# Altium PCB ssmaster.PcbDoc (part 1 of 3)
Units mil, origin at the board's own origin, x right, y up, seen from the top; angles counter-clockwise.
Board outline 4055.12 x 2952.76 mil, 4 copper layers (Top Layer, Ground Plane 1, Mid-Layer 1, Bottom Layer); 141 components, 274 nets, 1070 pads, 469 vias.
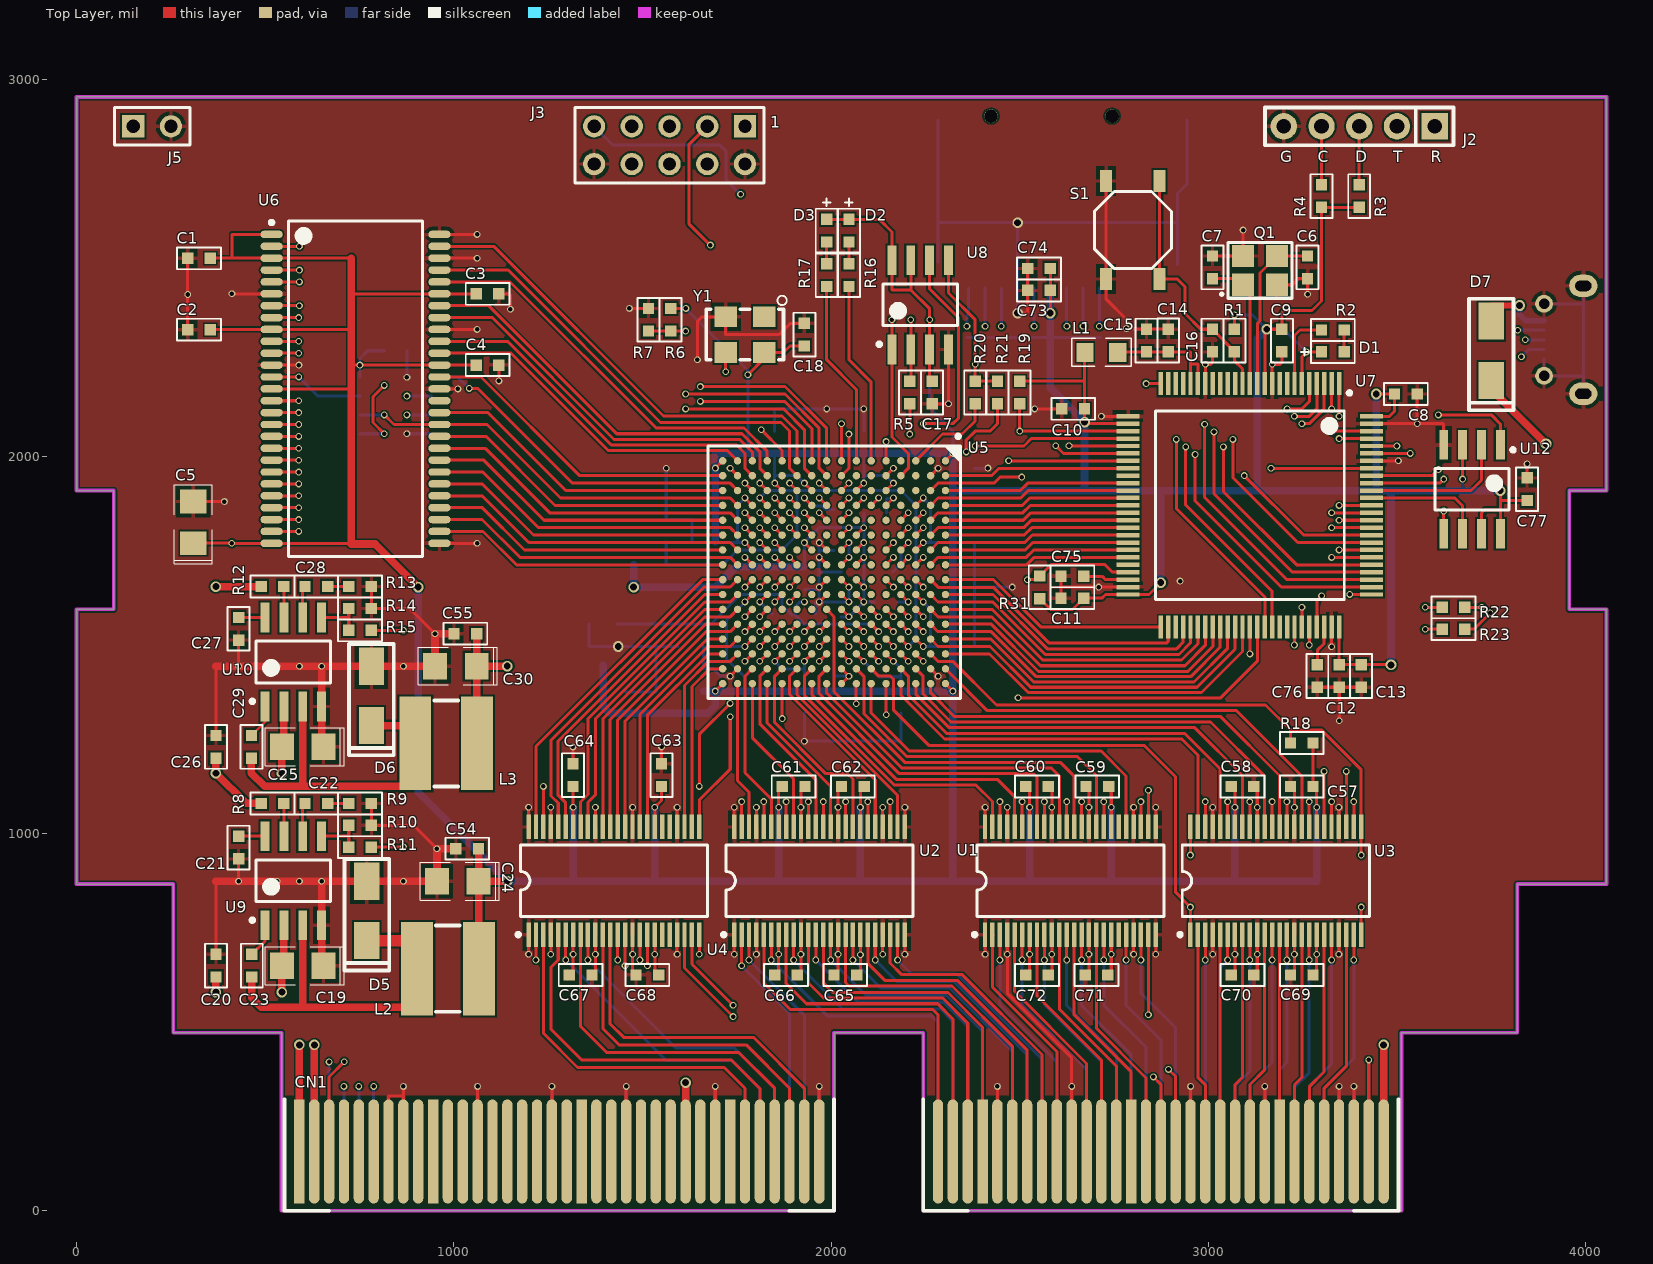
[diagram p0: Top Layer view]
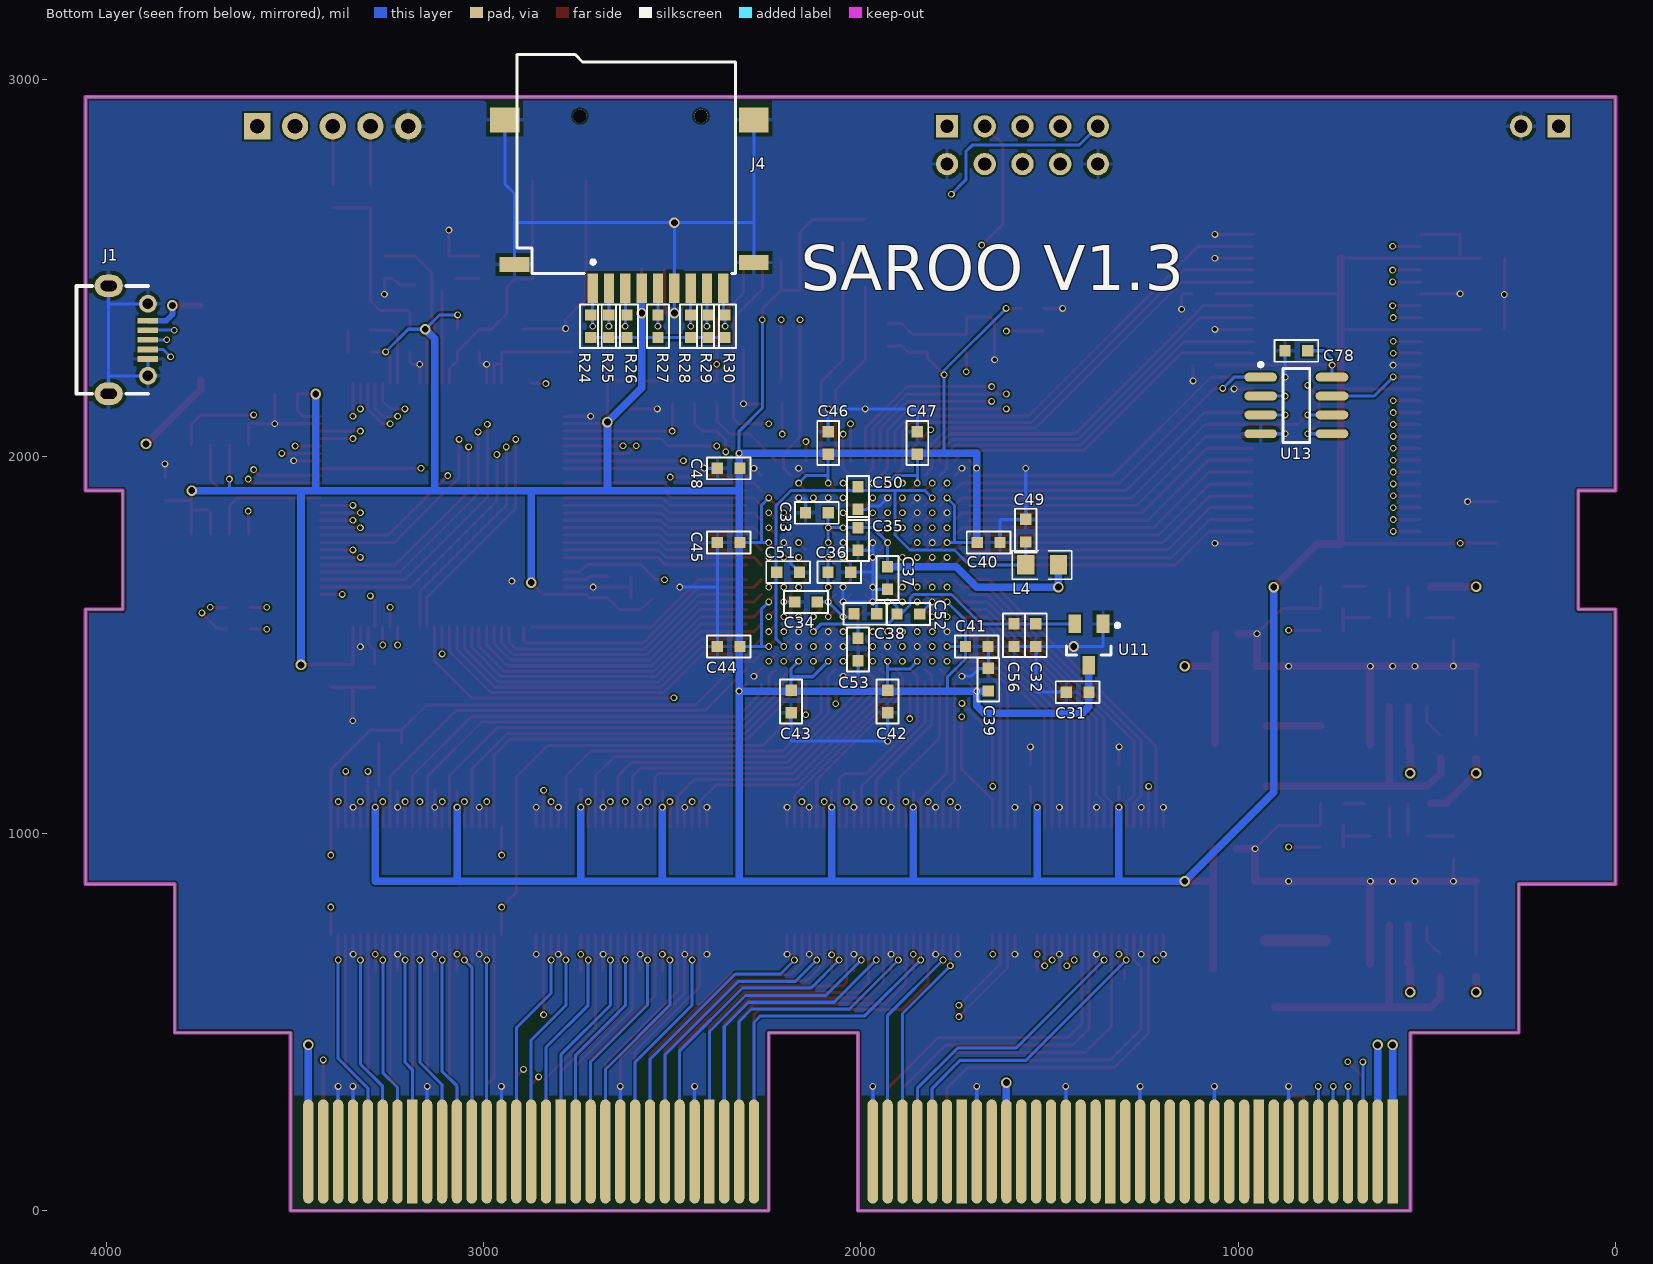
[diagram p1: Bottom Layer view, seen from below]
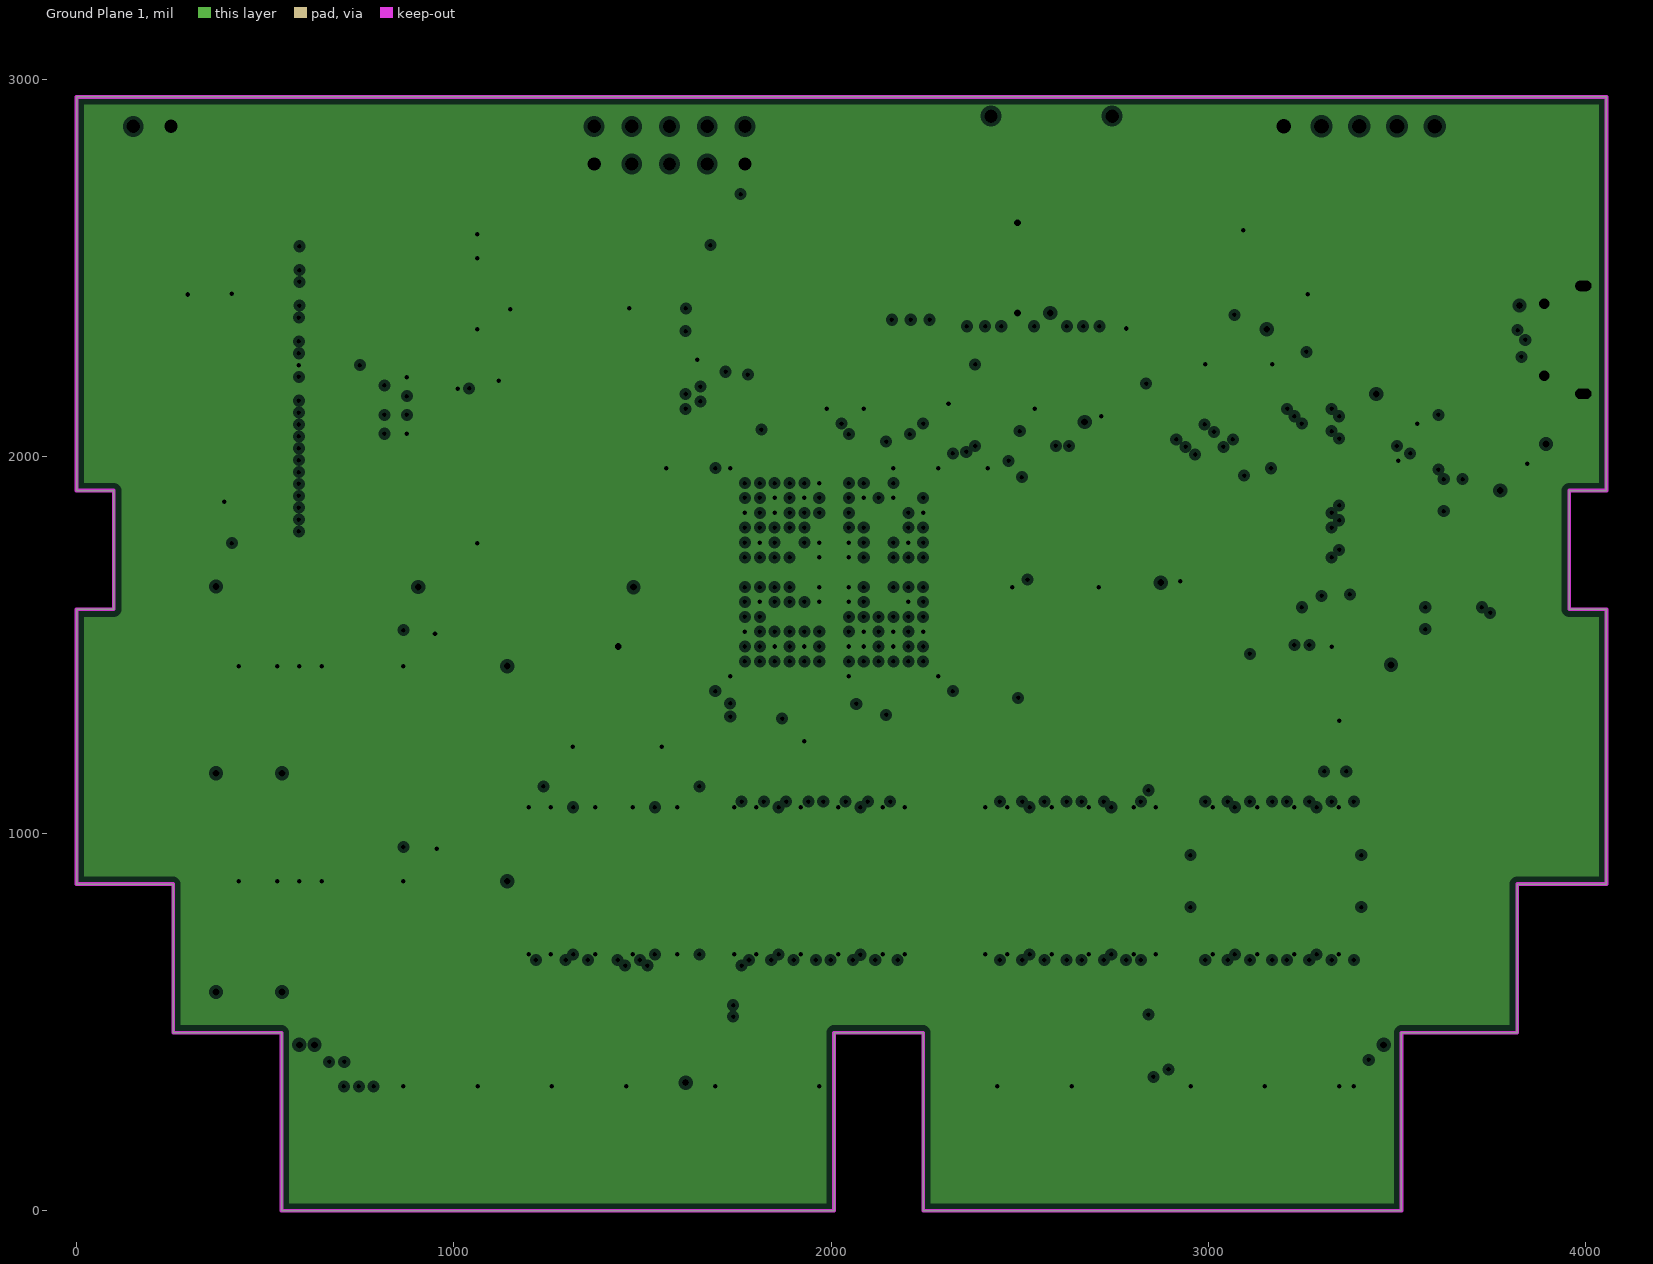
[diagram p2: Ground Plane 1, clearances drawn from the general rule]
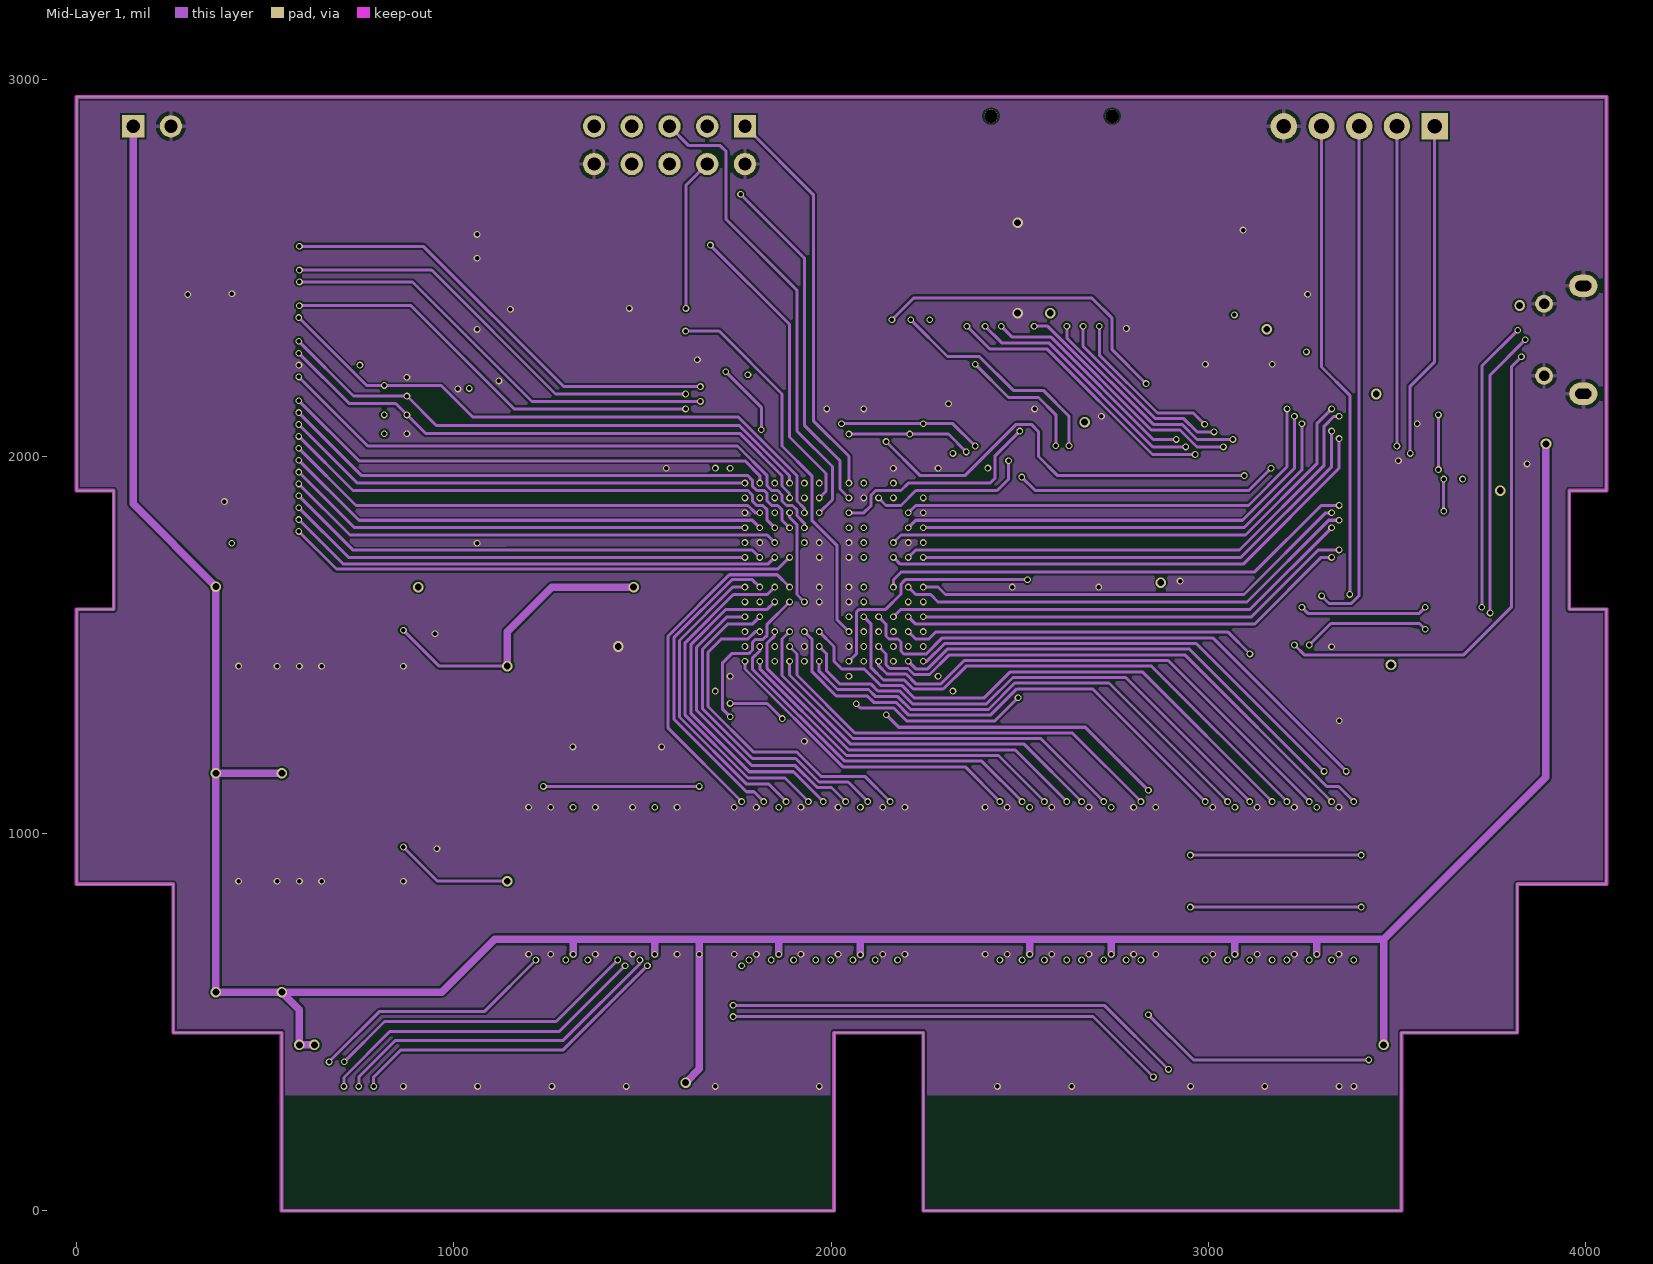
[diagram p3: Mid-Layer 1]
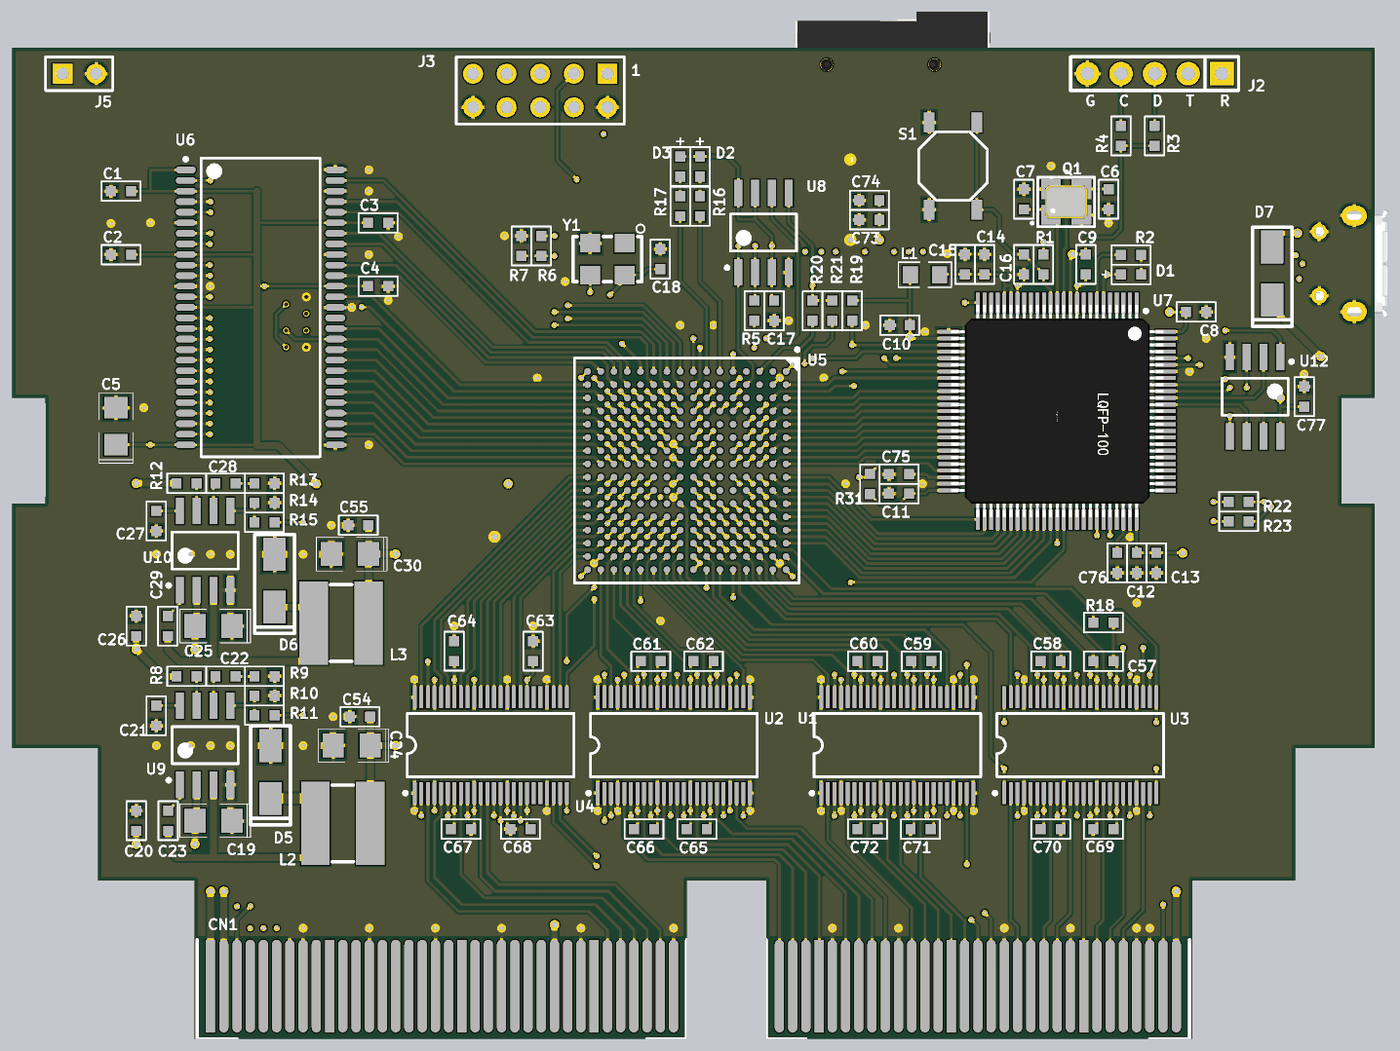
[diagram p6: 3D render of the assembled board from above, using the file's embedded part models]
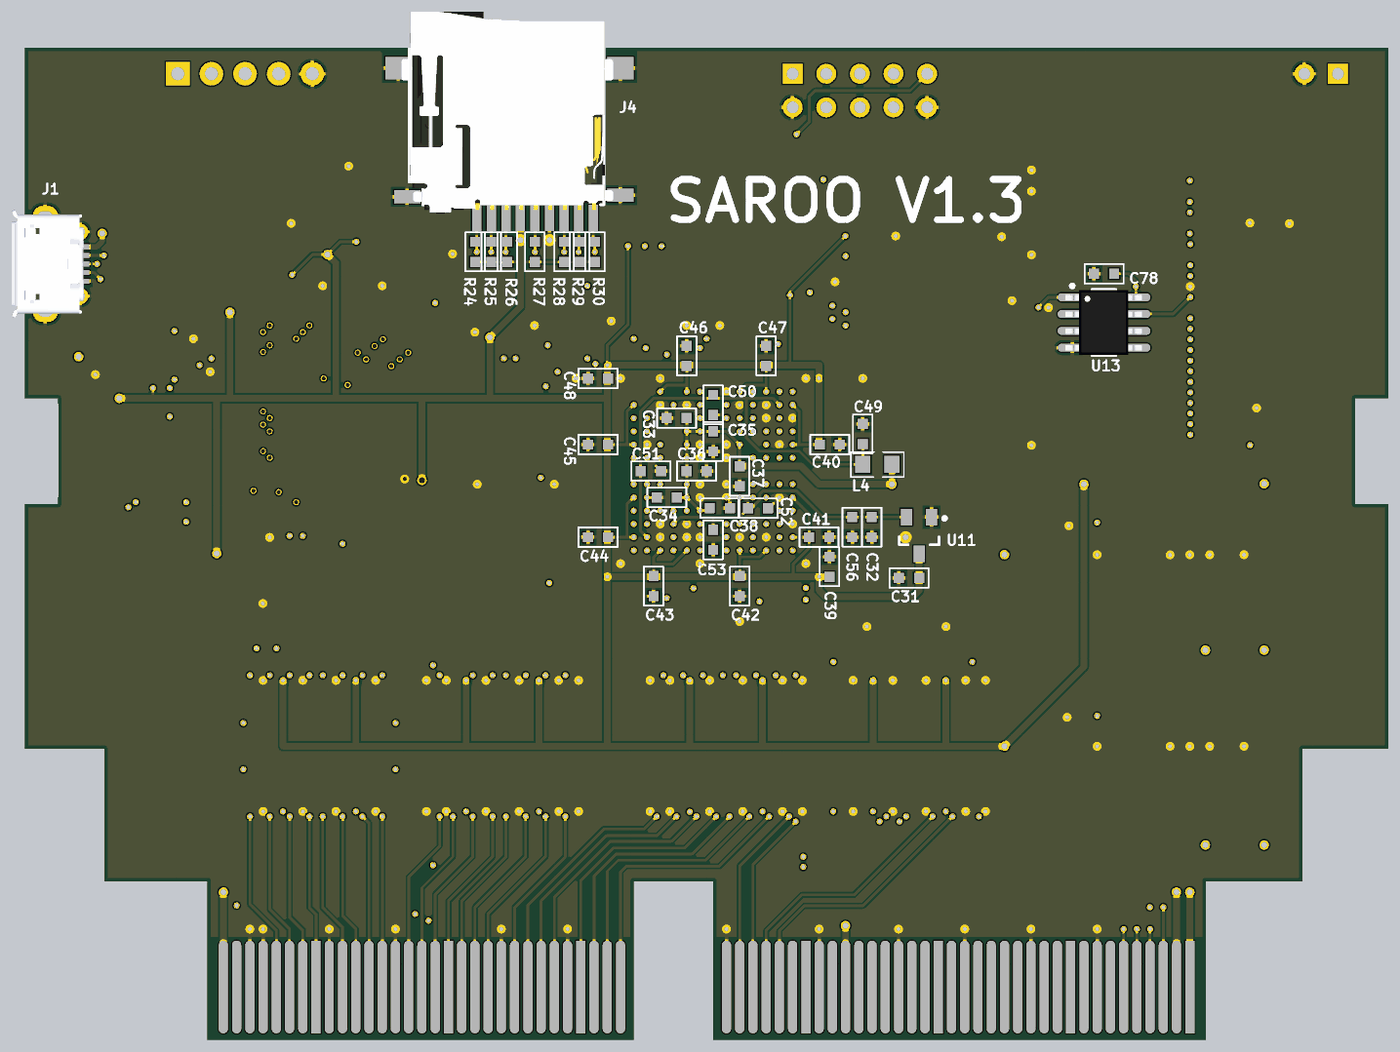
[diagram p7: 3D render of the assembled board from below, using the file's embedded part models]

## Layer stack, top to bottom
Top Solder: solder mask 0.4, Solder Resist, Dk 3.5
Top Layer: signal copper 1.4
Dielectric1: core 12.6, FR-4, Dk 4.8
Ground Plane 1: plane copper 1.4, net GND
Dielectric3: prepreg 12.6, FR-4, Dk 4.8
Mid-Layer 1: signal copper 1.4
Dielectric2: core 12.6, FR-4, Dk 4.8
Bottom Layer: signal copper 1.4
Bottom Solder: solder mask 0.4, Solder Resist, Dk 3.5

## Board outline
543.31,0 543.31,472.44 255.91,472.44 255.91,866.14 0,866.14 0,1594.49 98.43,1594.49 98.43,1909.45 0,1909.45 0,2952.76 4055.12,2952.76 4055.12,1909.45 3956.69,1909.45 3956.69,1594.49 4055.12,1594.49 4055.12,866.14 3818.9,866.14 3818.9,472.44 3511.81,472.44 3511.81,0 2244.09,0 2244.09,472.44 2007.87,472.44 2007.87,0

## Design rules (kind name [scope] priority, off if disabled: settings)
AssemblyTestPointUsage [All] p1: valid=2
Clearance [All] p1: gap=5
ComponentClearance [All] p1: gap=0 collisioncheckmode=3 verticalgap=0 showdistances=FALSE
FabricationTestPointUsage [All] p1: valid=2 allowmultiple=FALSE
MinimumSolderMaskSliver [All] p1: minsoldermaskwidth=1
PlaneClearance [All] p1: clearance=10
PlaneConnect [All] p1: planeconnectstyle=Direct reliefexpansion=20 reliefentries=4 reliefconductorwidth=10 reliefairgap=10
PolygonConnect PolygonConnect_via [IsVia] p1: connectstyle=Direct reliefconductorwidth=10 reliefentries=4 polygonreliefangle="90 Angle" airgapwidth=10
PolygonConnect [All] p2: connectstyle=Relief reliefconductorwidth=10 reliefentries=4 polygonreliefangle="90 Angle" airgapwidth=10
RoutingVias [All] p1: holewidth=12 width=18 viastyle="Through Hole" minholewidth=12 minwidth=18 maxholewidth=18 maxwidth=28
SilkToSilkClearance [All] p1: silktosilkclearance=0
SilkToSolderMaskClearance SilkscreenOverComponentPads [IsPad] p1: minsilkscreentomaskgap=0 clearancetoexposedcopper=TRUE
SolderMaskExpansion SolderMaskExpansion_1 [(IsVia)] p1: expansion=0
SolderMaskExpansion [All] p2: expansion=4
Width [All] p1: maxlimit=50 minlimit=8 preferedwidth=8
21 further rules are at their usual default settings.

## Classes and differential pairs
component class Saturn_Cartage: C57 C58 C59 C60 C61 C62 C63 C64 C65 C66 C67 C68 C69 C70 C71 C72 CN1 R18 U1 U2 U3 U4
component class STM32: C6 C7 C8 C9 C10 C11 C12 C13 C14 C15 C16 C73 C74 C75 C76 C77 D1 D7 J1 J2 J4 L1 Q1 R1 R2 R3 R4 R22 R23 R24 R25 R26 R27 R28 R29 R30 S1 U7 U12
component class SDRAM: C1 C2 C3 C4 C5 C78 U6 U13
component class FPGA_parts: C17 C18 C33 C34 C35 C36 C37 C38 C39 C40 C41 C42 C43 C44 C45 C46 C47 C48 C49 C50 C51 C52 C53 D2 D3 J3 L4 R5 R6 R7 R16 R17 R19 R20 R21 R31 U5 U8 Y1
component class Power: C19 C20 C21 C22 C23 C24 C25 C26 C27 C28 C29 C30 C31 C32 C54 C55 C56 D5 D6 J5 L2 L3 R8 R9 R10 R11 R12 R13 R14 R15 U9 U10 U11

## Components (designator, comment, footprint, x,y, rotation, side; value= is the part's Value field where it differs from the comment)
C1 "100nF" C0603 324.37,2525 r180 top
C2 "100nF" C0603 324.37,2336 r180 top
C3 "100nF" C0603 1089.37,2431 r0 top
C4 "100nF" C0603 1089.37,2242 r0 top
C5 "10uF" C1206 309.37,1825 r90 top
C6 "22pF" C0603 3263,2501 r90 top
C7 "22pF" C0603 3011,2501 r270 top
C8 "100nF" C0603 3523.62,2165.35 r0 top
C9 "100nF" C0603 3195,2307 r270 top
C10 "100nF" C0603 2641.73,2125.98 r180 top
C11 "100nF" C0603 2639.63,1624 r180 top
C12 "100nF" C0603 3347,1418 r270 top
C13 "4.7uF" C0603 3405,1418 r270 top
C14 "10nF" C0603 2893.7,2307.09 r90 top
C15 "1uF" C0603 2836,2307 r90 top
C16 "100nF" C0603 3011,2307 r90 top
C17 "100pF" C0603 2267.72,2169.29 r270 top
C18 "100nF" C0603 1929.13,2322.83 r90 top
C19 "10uF" C1206 599.37,650 r180 top
C20 "100nF" C0603 369.37,650 r90 top
C21 "100nF" C0603 429.37,963 r270 top
C22 "3.3nF" C0603 635.37,1080 r0 top
C23 "10nF" C0603 464.37,650 r270 top
C24 "22uF" C1206 1010.37,874 r180 top
C25 "10uF" C1206 599.37,1230 r180 top
C26 "100nF" C0603 369.37,1230 r90 top
C27 "100nF" C0603 429.37,1543 r270 top
C28 "4.7nF" C0603 635.37,1655 r0 top
C29 "10nF" C0603 463.37,1230 r270 top
C30 "22uF" C1206 1005.37,1444 r180 top
C31 "4.7uF" C0603 1425.56,1375 r0 bottom
C32 "4.7uF" C0603 1536.37,1526 r270 bottom
C33 "100nF" C0603 2116.61,1850.39 r0 bottom
C34 "100nF" C0603 2145.67,1614.17 r0 bottom
C35 "100nF" C0603 2007.87,1781.1 r270 bottom
C36 "100nF" C0603 2057.28,1692.91 r180 bottom
C37 "10nF" C0603 1929.37,1677.44 r270 bottom
C38 "4.7uF" C0603 1988.19,1582.68 r180 bottom
C39 "4.7uF" C0603 1662.37,1408 r90 bottom
C40 "100nF" C0603 1661.42,1771.65 r180 bottom
C41 "100nF" C0603 1692.91,1496.06 r180 bottom
C42 "100nF" C0603 1929.13,1350.39 r270 bottom
C43 "100nF" C0603 2185.04,1350.39 r270 bottom
C44 "100nF" C0603 2350.39,1496.06 r0 bottom
C45 "100nF" C0603 2350.39,1771.65 r0 bottom
C46 "100nF" C0603 2086.61,2035.43 r90 bottom
C47 "100nF" C0603 1850.39,2035.43 r90 bottom
C48 "4.7uF" C0603 2350.39,1968.5 r0 bottom
C49 "4.7uF" C0603 1562.99,1803.15 r90 bottom
C50 "100nF" C0603 2007.87,1889.76 r270 bottom
C51 "100nF" C0603 2192.91,1692.91 r180 bottom
C52 "100nF" C0603 1874.37,1582 r180 bottom
C53 "100nF" C0603 2007.87,1488.19 r270 bottom
C54 "100nF" C0603 1035.37,960 r180 top
C55 "100nF" C0603 1030.37,1530 r180 top
C56 "100nF" C0603 1594.37,1526 r270 bottom
C57 "100nF" C0603 3247.63,1125 r180 top
C58 "100nF" C0603 3090.63,1125 r0 top
C59 "100nF" C0603 2705.63,1125 r180 top
C60 "100nF" C0603 2545.63,1125 r0 top
C61 "100nF" C0603 1900.63,1125 r0 top
C62 "100nF" C0603 2057.63,1125 r180 top
C63 "100nF" C0603 1550.63,1155 r90 top
C64 "100nF" C0603 1315.63,1155 r90 top
C65 "100nF" C0603 2037.63,625 r180 top
C66 "100nF" C0603 1880.63,625 r0 top
C67 "100nF" C0603 1336,625 r0 top
C68 "100nF" C0603 1513,625 r180 top
C69 "100nF" C0603 3247.63,625 r180 top
C70 "100nF" C0603 3090.63,625 r0 top
C71 "100nF" C0603 2703.63,625 r180 top
C72 "100nF" C0603 2545.63,625 r0 top
C73 "4.7uF" C0603 2551,2440 r180 top
C74 "100nF" C0603 2551,2498 r180 top
C75 "2.2uF" C0603 2639.63,1682 r180 top
C76 "2.2uF" C0603 3289,1418 r270 top
C77 "100nF" C0603 3845,1913 r90 top
C78 "100nF" C0603 845.63,2280 r0 bottom
CN1 "SaturnCartage" SATURN_CART 590.55,157.48 r0 top locked
D1 "LED" D0603 3330,2277 r180 top
D2 "LED" D0603 2047.24,2598.43 r90 top
D3 "LED" D0603 1988.19,2598.43 r90 top
D5 "B340A" SMA 769.37,795 r90 top
D6 "B340A" SMA 781.37,1365 r90 top